# KiCad board led_mapper_850.kicad_pcb (continued)
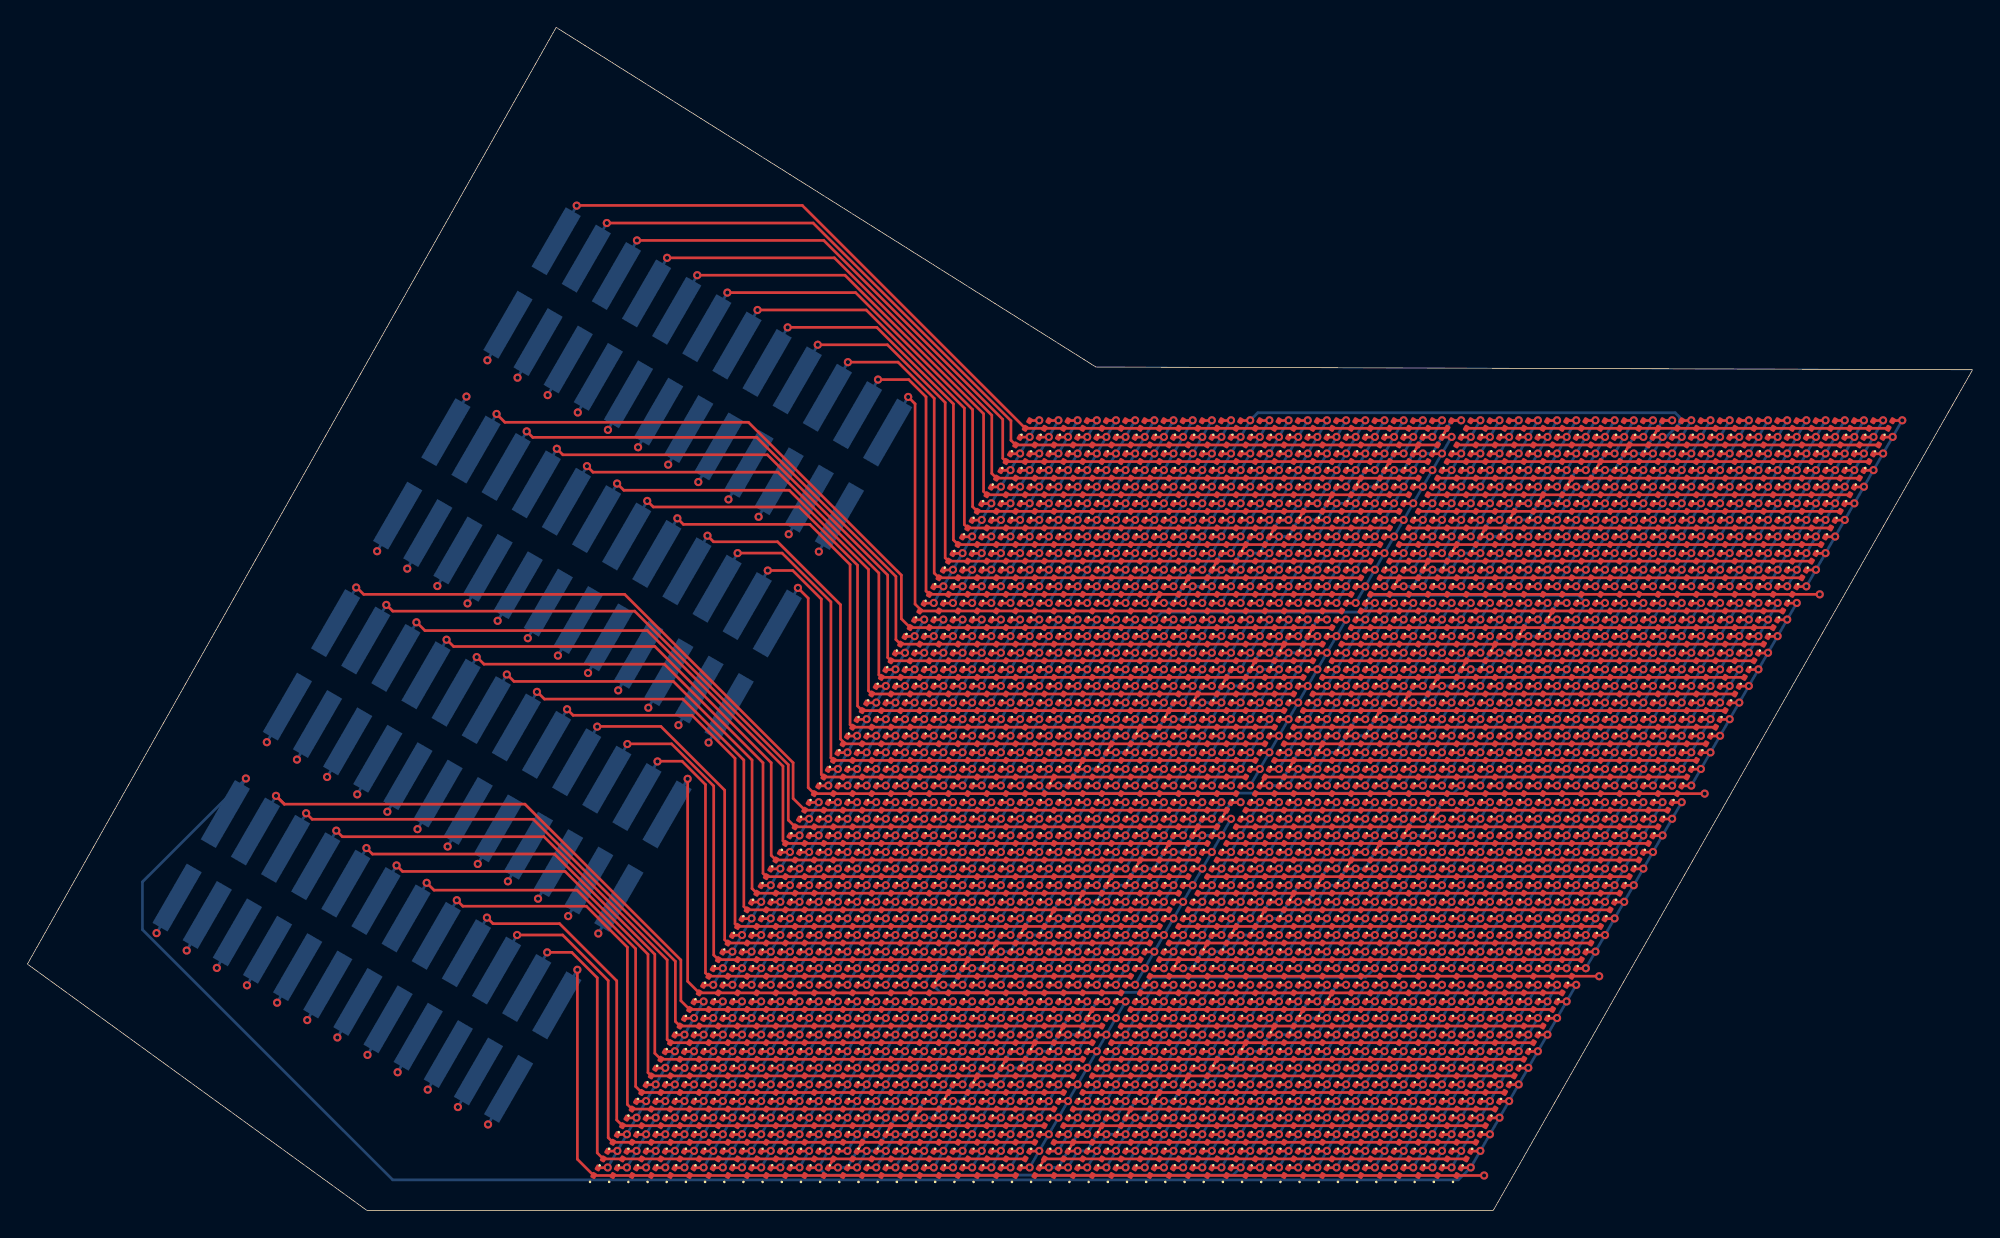
[diagram p0: board, top side]
## Placement (name value [footprint] x y rotation side) (continued)
D1424  LED  [LED_0201_0603Metric]  112.2 21.03 60 top
D1425  LED  [LED_0201_0603Metric]  113.6 21.03 60 top
D1426  LED  [LED_0201_0603Metric]  115 21.03 60 top
D1427  LED  [LED_0201_0603Metric]  51.3 19.81 60 top
D1428  LED  [LED_0201_0603Metric]  52.7 19.81 60 top
D1429  LED  [LED_0201_0603Metric]  54.1 19.81 60 top
D1430  LED  [LED_0201_0603Metric]  55.5 19.81 60 top
D1431  LED  [LED_0201_0603Metric]  56.9 19.81 60 top
D1432  LED  [LED_0201_0603Metric]  58.3 19.81 60 top
D1433  LED  [LED_0201_0603Metric]  59.7 19.81 60 top
D1434  LED  [LED_0201_0603Metric]  61.1 19.81 60 top
D1435  LED  [LED_0201_0603Metric]  62.5 19.81 60 top
D1436  LED  [LED_0201_0603Metric]  63.9 19.81 60 top
D1437  LED  [LED_0201_0603Metric]  65.3 19.81 60 top
D1438  LED  [LED_0201_0603Metric]  66.7 19.81 60 top
D1439  LED  [LED_0201_0603Metric]  68.1 19.81 60 top
D1440  LED  [LED_0201_0603Metric]  69.5 19.81 60 top
D1441  LED  [LED_0201_0603Metric]  70.9 19.81 60 top
D1442  LED  [LED_0201_0603Metric]  72.3 19.81 60 top
D1443  LED  [LED_0201_0603Metric]  73.7 19.81 60 top
D1444  LED  [LED_0201_0603Metric]  75.1 19.81 60 top
D1445  LED  [LED_0201_0603Metric]  76.5 19.81 60 top
D1446  LED  [LED_0201_0603Metric]  77.9 19.81 60 top
D1447  LED  [LED_0201_0603Metric]  79.3 19.81 60 top
D1448  LED  [LED_0201_0603Metric]  80.7 19.81 60 top
D1449  LED  [LED_0201_0603Metric]  82.1 19.81 60 top
D1450  LED  [LED_0201_0603Metric]  83.5 19.81 60 top
D1451  LED  [LED_0201_0603Metric]  84.9 19.81 60 top
D1452  LED  [LED_0201_0603Metric]  86.3 19.81 60 top
D1453  LED  [LED_0201_0603Metric]  87.7 19.81 60 top
D1454  LED  [LED_0201_0603Metric]  89.1 19.81 60 top
D1455  LED  [LED_0201_0603Metric]  90.5 19.81 60 top
D1456  LED  [LED_0201_0603Metric]  91.9 19.81 60 top
D1457  LED  [LED_0201_0603Metric]  93.3 19.81 60 top
D1458  LED  [LED_0201_0603Metric]  94.7 19.81 60 top
D1459  LED  [LED_0201_0603Metric]  96.1 19.81 60 top
D1460  LED  [LED_0201_0603Metric]  97.5 19.81 60 top
D1461  LED  [LED_0201_0603Metric]  98.9 19.81 60 top
D1462  LED  [LED_0201_0603Metric]  100.3 19.81 60 top
D1463  LED  [LED_0201_0603Metric]  101.7 19.81 60 top
D1464  LED  [LED_0201_0603Metric]  103.1 19.81 60 top
D1465  LED  [LED_0201_0603Metric]  104.5 19.81 60 top
D1466  LED  [LED_0201_0603Metric]  105.9 19.81 60 top
D1467  LED  [LED_0201_0603Metric]  107.3 19.81 60 top
D1468  LED  [LED_0201_0603Metric]  108.7 19.81 60 top
D1469  LED  [LED_0201_0603Metric]  110.1 19.81 60 top
D1470  LED  [LED_0201_0603Metric]  111.5 19.81 60 top
D1471  LED  [LED_0201_0603Metric]  112.9 19.81 60 top
D1472  LED  [LED_0201_0603Metric]  114.3 19.81 60 top
D1473  LED  [LED_0201_0603Metric]  50.6 18.6 60 top
D1474  LED  [LED_0201_0603Metric]  52 18.6 60 top
D1475  LED  [LED_0201_0603Metric]  53.4 18.6 60 top
D1476  LED  [LED_0201_0603Metric]  54.8 18.6 60 top
D1477  LED  [LED_0201_0603Metric]  56.2 18.6 60 top
D1478  LED  [LED_0201_0603Metric]  57.6 18.6 60 top
D1479  LED  [LED_0201_0603Metric]  59 18.6 60 top
D1480  LED  [LED_0201_0603Metric]  60.4 18.6 60 top
D1481  LED  [LED_0201_0603Metric]  61.8 18.6 60 top
D1482  LED  [LED_0201_0603Metric]  63.2 18.6 60 top
D1483  LED  [LED_0201_0603Metric]  64.6 18.6 60 top
D1484  LED  [LED_0201_0603Metric]  66 18.6 60 top
D1485  LED  [LED_0201_0603Metric]  67.4 18.6 60 top
D1486  LED  [LED_0201_0603Metric]  68.8 18.6 60 top
D1487  LED  [LED_0201_0603Metric]  70.2 18.6 60 top
D1488  LED  [LED_0201_0603Metric]  71.6 18.6 60 top
D1489  LED  [LED_0201_0603Metric]  73 18.6 60 top
D1490  LED  [LED_0201_0603Metric]  74.4 18.6 60 top
D1491  LED  [LED_0201_0603Metric]  75.8 18.6 60 top
D1492  LED  [LED_0201_0603Metric]  77.2 18.6 60 top
D1493  LED  [LED_0201_0603Metric]  78.6 18.6 60 top
D1494  LED  [LED_0201_0603Metric]  80 18.6 60 top
D1495  LED  [LED_0201_0603Metric]  81.4 18.6 60 top
D1496  LED  [LED_0201_0603Metric]  82.8 18.6 60 top
D1497  LED  [LED_0201_0603Metric]  84.2 18.6 60 top
D1498  LED  [LED_0201_0603Metric]  85.6 18.6 60 top
D1499  LED  [LED_0201_0603Metric]  87 18.6 60 top
D1500  LED  [LED_0201_0603Metric]  88.4 18.6 60 top
D1501  LED  [LED_0201_0603Metric]  89.8 18.6 60 top
D1502  LED  [LED_0201_0603Metric]  91.2 18.6 60 top
D1503  LED  [LED_0201_0603Metric]  92.6 18.6 60 top
D1504  LED  [LED_0201_0603Metric]  94 18.6 60 top
D1505  LED  [LED_0201_0603Metric]  95.4 18.6 60 top
D1506  LED  [LED_0201_0603Metric]  96.8 18.6 60 top
D1507  LED  [LED_0201_0603Metric]  98.2 18.6 60 top
D1508  LED  [LED_0201_0603Metric]  99.6 18.6 60 top
D1509  LED  [LED_0201_0603Metric]  101 18.6 60 top
D1510  LED  [LED_0201_0603Metric]  102.4 18.6 60 top
D1511  LED  [LED_0201_0603Metric]  103.8 18.6 60 top
D1512  LED  [LED_0201_0603Metric]  105.2 18.6 60 top
D1513  LED  [LED_0201_0603Metric]  106.6 18.6 60 top
D1514  LED  [LED_0201_0603Metric]  108 18.6 60 top
D1515  LED  [LED_0201_0603Metric]  109.4 18.6 60 top
D1516  LED  [LED_0201_0603Metric]  110.8 18.6 60 top
D1517  LED  [LED_0201_0603Metric]  112.2 18.6 60 top
D1518  LED  [LED_0201_0603Metric]  113.6 18.6 60 top
D1519  LED  [LED_0201_0603Metric]  49.9 17.39 60 top
D1520  LED  [LED_0201_0603Metric]  51.3 17.39 60 top
D1521  LED  [LED_0201_0603Metric]  52.7 17.39 60 top
D1522  LED  [LED_0201_0603Metric]  54.1 17.39 60 top
D1523  LED  [LED_0201_0603Metric]  55.5 17.39 60 top
D1524  LED  [LED_0201_0603Metric]  56.9 17.39 60 top
D1525  LED  [LED_0201_0603Metric]  58.3 17.39 60 top
D1526  LED  [LED_0201_0603Metric]  59.7 17.39 60 top
D1527  LED  [LED_0201_0603Metric]  61.1 17.39 60 top
D1528  LED  [LED_0201_0603Metric]  62.5 17.39 60 top
D1529  LED  [LED_0201_0603Metric]  63.9 17.39 60 top
D1530  LED  [LED_0201_0603Metric]  65.3 17.39 60 top
D1531  LED  [LED_0201_0603Metric]  66.7 17.39 60 top
D1532  LED  [LED_0201_0603Metric]  68.1 17.39 60 top
D1533  LED  [LED_0201_0603Metric]  69.5 17.39 60 top
D1534  LED  [LED_0201_0603Metric]  70.9 17.39 60 top
D1535  LED  [LED_0201_0603Metric]  72.3 17.39 60 top
D1536  LED  [LED_0201_0603Metric]  73.7 17.39 60 top
D1537  LED  [LED_0201_0603Metric]  75.1 17.39 60 top
D1538  LED  [LED_0201_0603Metric]  76.5 17.39 60 top
D1539  LED  [LED_0201_0603Metric]  77.9 17.39 60 top
D1540  LED  [LED_0201_0603Metric]  79.3 17.39 60 top
D1541  LED  [LED_0201_0603Metric]  80.7 17.39 60 top
D1542  LED  [LED_0201_0603Metric]  82.1 17.39 60 top
D1543  LED  [LED_0201_0603Metric]  83.5 17.39 60 top
D1544  LED  [LED_0201_0603Metric]  84.9 17.39 60 top
D1545  LED  [LED_0201_0603Metric]  86.3 17.39 60 top
D1546  LED  [LED_0201_0603Metric]  87.7 17.39 60 top
D1547  LED  [LED_0201_0603Metric]  89.1 17.39 60 top
D1548  LED  [LED_0201_0603Metric]  90.5 17.39 60 top
D1549  LED  [LED_0201_0603Metric]  91.9 17.39 60 top
D1550  LED  [LED_0201_0603Metric]  93.3 17.39 60 top
D1551  LED  [LED_0201_0603Metric]  94.7 17.39 60 top
D1552  LED  [LED_0201_0603Metric]  96.1 17.39 60 top
D1553  LED  [LED_0201_0603Metric]  97.5 17.39 60 top
D1554  LED  [LED_0201_0603Metric]  98.9 17.39 60 top
D1555  LED  [LED_0201_0603Metric]  100.3 17.39 60 top
D1556  LED  [LED_0201_0603Metric]  101.7 17.39 60 top
D1557  LED  [LED_0201_0603Metric]  103.1 17.39 60 top
D1558  LED  [LED_0201_0603Metric]  104.5 17.39 60 top
D1559  LED  [LED_0201_0603Metric]  105.9 17.39 60 top
D1560  LED  [LED_0201_0603Metric]  107.3 17.39 60 top
D1561  LED  [LED_0201_0603Metric]  108.7 17.39 60 top
D1562  LED  [LED_0201_0603Metric]  110.1 17.39 60 top
D1563  LED  [LED_0201_0603Metric]  111.5 17.39 60 top
D1564  LED  [LED_0201_0603Metric]  112.9 17.39 60 top
D1565  LED  [LED_0201_0603Metric]  49.2 16.18 60 top
D1566  LED  [LED_0201_0603Metric]  50.6 16.18 60 top
D1567  LED  [LED_0201_0603Metric]  52 16.18 60 top
D1568  LED  [LED_0201_0603Metric]  53.4 16.18 60 top
D1569  LED  [LED_0201_0603Metric]  54.8 16.18 60 top
D1570  LED  [LED_0201_0603Metric]  56.2 16.18 60 top
D1571  LED  [LED_0201_0603Metric]  57.6 16.18 60 top
D1572  LED  [LED_0201_0603Metric]  59 16.18 60 top
D1573  LED  [LED_0201_0603Metric]  60.4 16.18 60 top
D1574  LED  [LED_0201_0603Metric]  61.8 16.18 60 top
D1575  LED  [LED_0201_0603Metric]  63.2 16.18 60 top
D1576  LED  [LED_0201_0603Metric]  64.6 16.18 60 top
D1577  LED  [LED_0201_0603Metric]  66 16.18 60 top
D1578  LED  [LED_0201_0603Metric]  67.4 16.18 60 top
D1579  LED  [LED_0201_0603Metric]  68.8 16.18 60 top
D1580  LED  [LED_0201_0603Metric]  70.2 16.18 60 top
D1581  LED  [LED_0201_0603Metric]  71.6 16.18 60 top
D1582  LED  [LED_0201_0603Metric]  73 16.18 60 top
D1583  LED  [LED_0201_0603Metric]  74.4 16.18 60 top
D1584  LED  [LED_0201_0603Metric]  75.8 16.18 60 top
D1585  LED  [LED_0201_0603Metric]  77.2 16.18 60 top
D1586  LED  [LED_0201_0603Metric]  78.6 16.18 60 top
D1587  LED  [LED_0201_0603Metric]  80 16.18 60 top
D1588  LED  [LED_0201_0603Metric]  104.5 2.84 60 top
D1589  LED  [LED_0201_0603Metric]  103.1 2.84 60 top
D1590  LED  [LED_0201_0603Metric]  101.7 2.84 60 top
D1591  LED  [LED_0201_0603Metric]  100.3 2.84 60 top
D1592  LED  [LED_0201_0603Metric]  98.9 2.84 60 top
D1593  LED  [LED_0201_0603Metric]  97.5 2.84 60 top
D1594  LED  [LED_0201_0603Metric]  96.1 2.84 60 top
D1595  LED  [LED_0201_0603Metric]  94.7 2.84 60 top
D1596  LED  [LED_0201_0603Metric]  93.3 2.84 60 top
D1597  LED  [LED_0201_0603Metric]  91.9 2.84 60 top
D1598  LED  [LED_0201_0603Metric]  90.5 2.84 60 top
D1599  LED  [LED_0201_0603Metric]  89.1 2.84 60 top
D1600  LED  [LED_0201_0603Metric]  87.7 2.84 60 top
D1601  LED  [LED_0201_0603Metric]  86.3 2.84 60 top
D1602  LED  [LED_0201_0603Metric]  84.9 2.84 60 top
D1603  LED  [LED_0201_0603Metric]  83.5 2.84 60 top
D1604  LED  [LED_0201_0603Metric]  82.1 2.84 60 top
D1605  LED  [LED_0201_0603Metric]  80.7 2.84 60 top
D1606  LED  [LED_0201_0603Metric]  79.3 2.84 60 top
D1607  LED  [LED_0201_0603Metric]  77.9 2.84 60 top
D1608  LED  [LED_0201_0603Metric]  76.5 2.84 60 top
D1609  LED  [LED_0201_0603Metric]  75.1 2.84 60 top
D1610  LED  [LED_0201_0603Metric]  73.7 2.84 60 top
D1611  LED  [LED_0201_0603Metric]  72.3 2.84 60 top
D1612  LED  [LED_0201_0603Metric]  70.9 2.84 60 top
D1613  LED  [LED_0201_0603Metric]  69.5 2.84 60 top
D1614  LED  [LED_0201_0603Metric]  68.1 2.84 60 top
D1615  LED  [LED_0201_0603Metric]  66.7 2.84 60 top
D1616  LED  [LED_0201_0603Metric]  65.3 2.84 60 top
D1617  LED  [LED_0201_0603Metric]  63.9 2.84 60 top
D1618  LED  [LED_0201_0603Metric]  62.5 2.84 60 top
D1619  LED  [LED_0201_0603Metric]  61.1 2.84 60 top
D1620  LED  [LED_0201_0603Metric]  59.7 2.84 60 top
D1621  LED  [LED_0201_0603Metric]  58.3 2.84 60 top
D1622  LED  [LED_0201_0603Metric]  56.9 2.84 60 top
D1623  LED  [LED_0201_0603Metric]  55.5 2.84 60 top
D1624  LED  [LED_0201_0603Metric]  54.1 2.84 60 top
D1625  LED  [LED_0201_0603Metric]  52.7 2.84 60 top
D1626  LED  [LED_0201_0603Metric]  51.3 2.84 60 top
D1627  LED  [LED_0201_0603Metric]  49.9 2.84 60 top
D1628  LED  [LED_0201_0603Metric]  48.5 2.84 60 top
D1629  LED  [LED_0201_0603Metric]  47.1 2.84 60 top
D1630  LED  [LED_0201_0603Metric]  45.7 2.84 60 top
D1631  LED  [LED_0201_0603Metric]  44.3 2.84 60 top
D1632  LED  [LED_0201_0603Metric]  42.9 2.84 60 top
D1633  LED  [LED_0201_0603Metric]  41.5 2.84 60 top
D1634  LED  [LED_0201_0603Metric]  105.2 4.05 60 top
D1635  LED  [LED_0201_0603Metric]  103.8 4.05 60 top
D1636  LED  [LED_0201_0603Metric]  102.4 4.05 60 top
D1637  LED  [LED_0201_0603Metric]  101 4.05 60 top
D1638  LED  [LED_0201_0603Metric]  99.6 4.05 60 top
D1639  LED  [LED_0201_0603Metric]  98.2 4.05 60 top
D1640  LED  [LED_0201_0603Metric]  96.8 4.05 60 top
D1641  LED  [LED_0201_0603Metric]  95.4 4.05 60 top
D1642  LED  [LED_0201_0603Metric]  94 4.05 60 top
D1643  LED  [LED_0201_0603Metric]  92.6 4.05 60 top
D1644  LED  [LED_0201_0603Metric]  91.2 4.05 60 top
D1645  LED  [LED_0201_0603Metric]  89.8 4.05 60 top
D1646  LED  [LED_0201_0603Metric]  88.4 4.05 60 top
D1647  LED  [LED_0201_0603Metric]  87 4.05 60 top
D1648  LED  [LED_0201_0603Metric]  85.6 4.05 60 top
D1649  LED  [LED_0201_0603Metric]  84.2 4.05 60 top
D1650  LED  [LED_0201_0603Metric]  82.8 4.05 60 top
D1651  LED  [LED_0201_0603Metric]  81.4 4.05 60 top
D1652  LED  [LED_0201_0603Metric]  80 4.05 60 top
D1653  LED  [LED_0201_0603Metric]  78.6 4.05 60 top
D1654  LED  [LED_0201_0603Metric]  77.2 4.05 60 top
D1655  LED  [LED_0201_0603Metric]  75.8 4.05 60 top
D1656  LED  [LED_0201_0603Metric]  74.4 4.05 60 top
D1657  LED  [LED_0201_0603Metric]  73 4.05 60 top
D1658  LED  [LED_0201_0603Metric]  71.6 4.05 60 top
D1659  LED  [LED_0201_0603Metric]  70.2 4.05 60 top
D1660  LED  [LED_0201_0603Metric]  68.8 4.05 60 top
D1661  LED  [LED_0201_0603Metric]  67.4 4.05 60 top
D1662  LED  [LED_0201_0603Metric]  66 4.05 60 top
D1663  LED  [LED_0201_0603Metric]  64.6 4.05 60 top
D1664  LED  [LED_0201_0603Metric]  63.2 4.05 60 top
D1665  LED  [LED_0201_0603Metric]  61.8 4.05 60 top
D1666  LED  [LED_0201_0603Metric]  60.4 4.05 60 top
D1667  LED  [LED_0201_0603Metric]  59 4.05 60 top
D1668  LED  [LED_0201_0603Metric]  57.6 4.05 60 top
D1669  LED  [LED_0201_0603Metric]  56.2 4.05 60 top
D1670  LED  [LED_0201_0603Metric]  54.8 4.05 60 top
D1671  LED  [LED_0201_0603Metric]  53.4 4.05 60 top
D1672  LED  [LED_0201_0603Metric]  52 4.05 60 top
D1673  LED  [LED_0201_0603Metric]  50.6 4.05 60 top
D1674  LED  [LED_0201_0603Metric]  49.2 4.05 60 top
D1675  LED  [LED_0201_0603Metric]  47.8 4.05 60 top
D1676  LED  [LED_0201_0603Metric]  46.4 4.05 60 top
D1677  LED  [LED_0201_0603Metric]  45 4.05 60 top
D1678  LED  [LED_0201_0603Metric]  43.6 4.05 60 top
D1679  LED  [LED_0201_0603Metric]  42.2 4.05 60 top
D1680  LED  [LED_0201_0603Metric]  105.9 5.27 60 top
D1681  LED  [LED_0201_0603Metric]  104.5 5.27 60 top
D1682  LED  [LED_0201_0603Metric]  103.1 5.27 60 top
D1683  LED  [LED_0201_0603Metric]  101.7 5.27 60 top
D1684  LED  [LED_0201_0603Metric]  100.3 5.27 60 top
D1685  LED  [LED_0201_0603Metric]  98.9 5.27 60 top
D1686  LED  [LED_0201_0603Metric]  97.5 5.27 60 top
D1687  LED  [LED_0201_0603Metric]  96.1 5.27 60 top
D1688  LED  [LED_0201_0603Metric]  94.7 5.27 60 top
D1689  LED  [LED_0201_0603Metric]  93.3 5.27 60 top
D1690  LED  [LED_0201_0603Metric]  91.9 5.27 60 top
D1691  LED  [LED_0201_0603Metric]  90.5 5.27 60 top
D1692  LED  [LED_0201_0603Metric]  89.1 5.27 60 top
D1693  LED  [LED_0201_0603Metric]  87.7 5.27 60 top
D1694  LED  [LED_0201_0603Metric]  86.3 5.27 60 top
D1695  LED  [LED_0201_0603Metric]  84.9 5.27 60 top
D1696  LED  [LED_0201_0603Metric]  83.5 5.27 60 top
D1697  LED  [LED_0201_0603Metric]  82.1 5.27 60 top
D1698  LED  [LED_0201_0603Metric]  80.7 5.27 60 top
D1699  LED  [LED_0201_0603Metric]  79.3 5.27 60 top
D1700  LED  [LED_0201_0603Metric]  77.9 5.27 60 top
D1701  LED  [LED_0201_0603Metric]  76.5 5.27 60 top
D1702  LED  [LED_0201_0603Metric]  75.1 5.27 60 top
D1703  LED  [LED_0201_0603Metric]  73.7 5.27 60 top
D1704  LED  [LED_0201_0603Metric]  72.3 5.27 60 top
D1705  LED  [LED_0201_0603Metric]  70.9 5.27 60 top
D1706  LED  [LED_0201_0603Metric]  69.5 5.27 60 top
D1707  LED  [LED_0201_0603Metric]  68.1 5.27 60 top
D1708  LED  [LED_0201_0603Metric]  66.7 5.27 60 top
D1709  LED  [LED_0201_0603Metric]  65.3 5.27 60 top
D1710  LED  [LED_0201_0603Metric]  63.9 5.27 60 top
D1711  LED  [LED_0201_0603Metric]  62.5 5.27 60 top
D1712  LED  [LED_0201_0603Metric]  61.1 5.27 60 top
D1713  LED  [LED_0201_0603Metric]  59.7 5.27 60 top
D1714  LED  [LED_0201_0603Metric]  58.3 5.27 60 top
D1715  LED  [LED_0201_0603Metric]  56.9 5.27 60 top
D1716  LED  [LED_0201_0603Metric]  55.5 5.27 60 top
D1717  LED  [LED_0201_0603Metric]  54.1 5.27 60 top
D1718  LED  [LED_0201_0603Metric]  52.7 5.27 60 top
D1719  LED  [LED_0201_0603Metric]  51.3 5.27 60 top
D1720  LED  [LED_0201_0603Metric]  49.9 5.27 60 top
D1721  LED  [LED_0201_0603Metric]  48.5 5.27 60 top
D1722  LED  [LED_0201_0603Metric]  47.1 5.27 60 top
D1723  LED  [LED_0201_0603Metric]  45.7 5.27 60 top
D1724  LED  [LED_0201_0603Metric]  44.3 5.27 60 top
D1725  LED  [LED_0201_0603Metric]  42.9 5.27 60 top
D1726  LED  [LED_0201_0603Metric]  106.6 6.48 60 top
D1727  LED  [LED_0201_0603Metric]  105.2 6.48 60 top
D1728  LED  [LED_0201_0603Metric]  103.8 6.48 60 top
D1729  LED  [LED_0201_0603Metric]  102.4 6.48 60 top
D1730  LED  [LED_0201_0603Metric]  101 6.48 60 top
D1731  LED  [LED_0201_0603Metric]  99.6 6.48 60 top
D1732  LED  [LED_0201_0603Metric]  98.2 6.48 60 top
D1733  LED  [LED_0201_0603Metric]  96.8 6.48 60 top
D1734  LED  [LED_0201_0603Metric]  95.4 6.48 60 top
D1735  LED  [LED_0201_0603Metric]  94 6.48 60 top
D1736  LED  [LED_0201_0603Metric]  92.6 6.48 60 top
D1737  LED  [LED_0201_0603Metric]  91.2 6.48 60 top
D1738  LED  [LED_0201_0603Metric]  89.8 6.48 60 top
D1739  LED  [LED_0201_0603Metric]  88.4 6.48 60 top
D1740  LED  [LED_0201_0603Metric]  87 6.48 60 top
D1741  LED  [LED_0201_0603Metric]  85.6 6.48 60 top
D1742  LED  [LED_0201_0603Metric]  84.2 6.48 60 top
D1743  LED  [LED_0201_0603Metric]  82.8 6.48 60 top
D1744  LED  [LED_0201_0603Metric]  81.4 6.48 60 top
D1745  LED  [LED_0201_0603Metric]  80 6.48 60 top
D1746  LED  [LED_0201_0603Metric]  78.6 6.48 60 top
D1747  LED  [LED_0201_0603Metric]  77.2 6.48 60 top
D1748  LED  [LED_0201_0603Metric]  75.8 6.48 60 top
D1749  LED  [LED_0201_0603Metric]  74.4 6.48 60 top
D1750  LED  [LED_0201_0603Metric]  73 6.48 60 top
D1751  LED  [LED_0201_0603Metric]  71.6 6.48 60 top
D1752  LED  [LED_0201_0603Metric]  70.2 6.48 60 top
D1753  LED  [LED_0201_0603Metric]  68.8 6.48 60 top
D1754  LED  [LED_0201_0603Metric]  67.4 6.48 60 top
D1755  LED  [LED_0201_0603Metric]  66 6.48 60 top
D1756  LED  [LED_0201_0603Metric]  64.6 6.48 60 top
D1757  LED  [LED_0201_0603Metric]  63.2 6.48 60 top
D1758  LED  [LED_0201_0603Metric]  61.8 6.48 60 top
D1759  LED  [LED_0201_0603Metric]  60.4 6.48 60 top
D1760  LED  [LED_0201_0603Metric]  59 6.48 60 top
D1761  LED  [LED_0201_0603Metric]  57.6 6.48 60 top
D1762  LED  [LED_0201_0603Metric]  56.2 6.48 60 top
D1763  LED  [LED_0201_0603Metric]  54.8 6.48 60 top
D1764  LED  [LED_0201_0603Metric]  53.4 6.48 60 top
D1765  LED  [LED_0201_0603Metric]  52 6.48 60 top
D1766  LED  [LED_0201_0603Metric]  50.6 6.48 60 top
D1767  LED  [LED_0201_0603Metric]  49.2 6.48 60 top
D1768  LED  [LED_0201_0603Metric]  47.8 6.48 60 top
D1769  LED  [LED_0201_0603Metric]  46.4 6.48 60 top
D1770  LED  [LED_0201_0603Metric]  45 6.48 60 top
D1771  LED  [LED_0201_0603Metric]  43.6 6.48 60 top
D1772  LED  [LED_0201_0603Metric]  107.3 7.69 60 top
D1773  LED  [LED_0201_0603Metric]  105.9 7.69 60 top
D1774  LED  [LED_0201_0603Metric]  104.5 7.69 60 top
D1775  LED  [LED_0201_0603Metric]  103.1 7.69 60 top
D1776  LED  [LED_0201_0603Metric]  101.7 7.69 60 top
D1777  LED  [LED_0201_0603Metric]  100.3 7.69 60 top
D1778  LED  [LED_0201_0603Metric]  98.9 7.69 60 top
D1779  LED  [LED_0201_0603Metric]  97.5 7.69 60 top
D1780  LED  [LED_0201_0603Metric]  96.1 7.69 60 top
D1781  LED  [LED_0201_0603Metric]  94.7 7.69 60 top
D1782  LED  [LED_0201_0603Metric]  93.3 7.69 60 top
D1783  LED  [LED_0201_0603Metric]  91.9 7.69 60 top
D1784  LED  [LED_0201_0603Metric]  90.5 7.69 60 top
D1785  LED  [LED_0201_0603Metric]  89.1 7.69 60 top
D1786  LED  [LED_0201_0603Metric]  87.7 7.69 60 top
D1787  LED  [LED_0201_0603Metric]  86.3 7.69 60 top
D1788  LED  [LED_0201_0603Metric]  84.9 7.69 60 top
D1789  LED  [LED_0201_0603Metric]  83.5 7.69 60 top
D1790  LED  [LED_0201_0603Metric]  82.1 7.69 60 top
D1791  LED  [LED_0201_0603Metric]  80.7 7.69 60 top
D1792  LED  [LED_0201_0603Metric]  79.3 7.69 60 top
D1793  LED  [LED_0201_0603Metric]  77.9 7.69 60 top
D1794  LED  [LED_0201_0603Metric]  76.5 7.69 60 top
D1795  LED  [LED_0201_0603Metric]  75.1 7.69 60 top
D1796  LED  [LED_0201_0603Metric]  73.7 7.69 60 top
D1797  LED  [LED_0201_0603Metric]  72.3 7.69 60 top
D1798  LED  [LED_0201_0603Metric]  70.9 7.69 60 top
D1799  LED  [LED_0201_0603Metric]  69.5 7.69 60 top
D1800  LED  [LED_0201_0603Metric]  68.1 7.69 60 top
D1801  LED  [LED_0201_0603Metric]  66.7 7.69 60 top
D1802  LED  [LED_0201_0603Metric]  65.3 7.69 60 top
D1803  LED  [LED_0201_0603Metric]  63.9 7.69 60 top
D1804  LED  [LED_0201_0603Metric]  62.5 7.69 60 top
D1805  LED  [LED_0201_0603Metric]  61.1 7.69 60 top
D1806  LED  [LED_0201_0603Metric]  59.7 7.69 60 top
D1807  LED  [LED_0201_0603Metric]  58.3 7.69 60 top
D1808  LED  [LED_0201_0603Metric]  56.9 7.69 60 top
D1809  LED  [LED_0201_0603Metric]  55.5 7.69 60 top
D1810  LED  [LED_0201_0603Metric]  54.1 7.69 60 top
D1811  LED  [LED_0201_0603Metric]  52.7 7.69 60 top
D1812  LED  [LED_0201_0603Metric]  51.3 7.69 60 top
D1813  LED  [LED_0201_0603Metric]  49.9 7.69 60 top
D1814  LED  [LED_0201_0603Metric]  48.5 7.69 60 top
D1815  LED  [LED_0201_0603Metric]  47.1 7.69 60 top
D1816  LED  [LED_0201_0603Metric]  45.7 7.69 60 top
D1817  LED  [LED_0201_0603Metric]  44.3 7.69 60 top
D1818  LED  [LED_0201_0603Metric]  108 8.9 60 top
D1819  LED  [LED_0201_0603Metric]  106.6 8.9 60 top
D1820  LED  [LED_0201_0603Metric]  105.2 8.9 60 top
D1821  LED  [LED_0201_0603Metric]  103.8 8.9 60 top
D1822  LED  [LED_0201_0603Metric]  102.4 8.9 60 top
D1823  LED  [LED_0201_0603Metric]  101 8.9 60 top
D1824  LED  [LED_0201_0603Metric]  99.6 8.9 60 top
D1825  LED  [LED_0201_0603Metric]  98.2 8.9 60 top
D1826  LED  [LED_0201_0603Metric]  96.8 8.9 60 top
D1827  LED  [LED_0201_0603Metric]  95.4 8.9 60 top
D1828  LED  [LED_0201_0603Metric]  94 8.9 60 top
D1829  LED  [LED_0201_0603Metric]  92.6 8.9 60 top
D1830  LED  [LED_0201_0603Metric]  91.2 8.9 60 top
D1831  LED  [LED_0201_0603Metric]  89.8 8.9 60 top
D1832  LED  [LED_0201_0603Metric]  88.4 8.9 60 top
D1833  LED  [LED_0201_0603Metric]  87 8.9 60 top
D1834  LED  [LED_0201_0603Metric]  85.6 8.9 60 top
D1835  LED  [LED_0201_0603Metric]  84.2 8.9 60 top
D1836  LED  [LED_0201_0603Metric]  82.8 8.9 60 top
D1837  LED  [LED_0201_0603Metric]  81.4 8.9 60 top
D1838  LED  [LED_0201_0603Metric]  80 8.9 60 top
D1839  LED  [LED_0201_0603Metric]  78.6 8.9 60 top
D1840  LED  [LED_0201_0603Metric]  77.2 8.9 60 top
D1841  LED  [LED_0201_0603Metric]  75.8 8.9 60 top
D1842  LED  [LED_0201_0603Metric]  74.4 8.9 60 top
D1843  LED  [LED_0201_0603Metric]  73 8.9 60 top
D1844  LED  [LED_0201_0603Metric]  71.6 8.9 60 top
D1845  LED  [LED_0201_0603Metric]  70.2 8.9 60 top
D1846  LED  [LED_0201_0603Metric]  68.8 8.9 60 top
D1847  LED  [LED_0201_0603Metric]  67.4 8.9 60 top
D1848  LED  [LED_0201_0603Metric]  66 8.9 60 top
D1849  LED  [LED_0201_0603Metric]  64.6 8.9 60 top
D1850  LED  [LED_0201_0603Metric]  63.2 8.9 60 top
D1851  LED  [LED_0201_0603Metric]  61.8 8.9 60 top
D1852  LED  [LED_0201_0603Metric]  60.4 8.9 60 top
D1853  LED  [LED_0201_0603Metric]  59 8.9 60 top
D1854  LED  [LED_0201_0603Metric]  57.6 8.9 60 top
D1855  LED  [LED_0201_0603Metric]  56.2 8.9 60 top
D1856  LED  [LED_0201_0603Metric]  54.8 8.9 60 top
D1857  LED  [LED_0201_0603Metric]  53.4 8.9 60 top
D1858  LED  [LED_0201_0603Metric]  52 8.9 60 top
D1859  LED  [LED_0201_0603Metric]  50.6 8.9 60 top
D1860  LED  [LED_0201_0603Metric]  49.2 8.9 60 top
D1861  LED  [LED_0201_0603Metric]  47.8 8.9 60 top
D1862  LED  [LED_0201_0603Metric]  46.4 8.9 60 top
D1863  LED  [LED_0201_0603Metric]  45 8.9 60 top
D1864  LED  [LED_0201_0603Metric]  108.7 10.12 60 top
D1865  LED  [LED_0201_0603Metric]  107.3 10.12 60 top
D1866  LED  [LED_0201_0603Metric]  105.9 10.12 60 top
D1867  LED  [LED_0201_0603Metric]  104.5 10.12 60 top
D1868  LED  [LED_0201_0603Metric]  103.1 10.12 60 top
D1869  LED  [LED_0201_0603Metric]  101.7 10.12 60 top
D1870  LED  [LED_0201_0603Metric]  100.3 10.12 60 top
D1871  LED  [LED_0201_0603Metric]  98.9 10.12 60 top
D1872  LED  [LED_0201_0603Metric]  97.5 10.12 60 top
D1873  LED  [LED_0201_0603Metric]  96.1 10.12 60 top
D1874  LED  [LED_0201_0603Metric]  94.7 10.12 60 top
D1875  LED  [LED_0201_0603Metric]  93.3 10.12 60 top
D1876  LED  [LED_0201_0603Metric]  91.9 10.12 60 top
D1877  LED  [LED_0201_0603Metric]  90.5 10.12 60 top
D1878  LED  [LED_0201_0603Metric]  89.1 10.12 60 top
D1879  LED  [LED_0201_0603Metric]  87.7 10.12 60 top
D1880  LED  [LED_0201_0603Metric]  86.3 10.12 60 top
D1881  LED  [LED_0201_0603Metric]  84.9 10.12 60 top
D1882  LED  [LED_0201_0603Metric]  83.5 10.12 60 top
D1883  LED  [LED_0201_0603Metric]  82.1 10.12 60 top
D1884  LED  [LED_0201_0603Metric]  80.7 10.12 60 top
D1885  LED  [LED_0201_0603Metric]  79.3 10.12 60 top
D1886  LED  [LED_0201_0603Metric]  77.9 10.12 60 top
D1887  LED  [LED_0201_0603Metric]  76.5 10.12 60 top
D1888  LED  [LED_0201_0603Metric]  75.1 10.12 60 top
D1889  LED  [LED_0201_0603Metric]  73.7 10.12 60 top
D1890  LED  [LED_0201_0603Metric]  72.3 10.12 60 top
D1891  LED  [LED_0201_0603Metric]  70.9 10.12 60 top
D1892  LED  [LED_0201_0603Metric]  69.5 10.12 60 top
D1893  LED  [LED_0201_0603Metric]  68.1 10.12 60 top
D1894  LED  [LED_0201_0603Metric]  66.7 10.12 60 top
D1895  LED  [LED_0201_0603Metric]  65.3 10.12 60 top
D1896  LED  [LED_0201_0603Metric]  63.9 10.12 60 top
D1897  LED  [LED_0201_0603Metric]  62.5 10.12 60 top
D1898  LED  [LED_0201_0603Metric]  61.1 10.12 60 top
D1899  LED  [LED_0201_0603Metric]  59.7 10.12 60 top
D1900  LED  [LED_0201_0603Metric]  58.3 10.12 60 top
D1901  LED  [LED_0201_0603Metric]  56.9 10.12 60 top
